# Altium PCB PCB1.PcbDoc (part 1 of 2)
Units mil, origin at the board's own origin, x right, y up, seen from the top; angles counter-clockwise.
Board outline 6000 x 4000 mil, 2 copper layers (Top Layer, Bottom Layer); 90 components, 145 nets, 578 pads, 84 vias.
Unrouted connection lines stored in the file: 9.
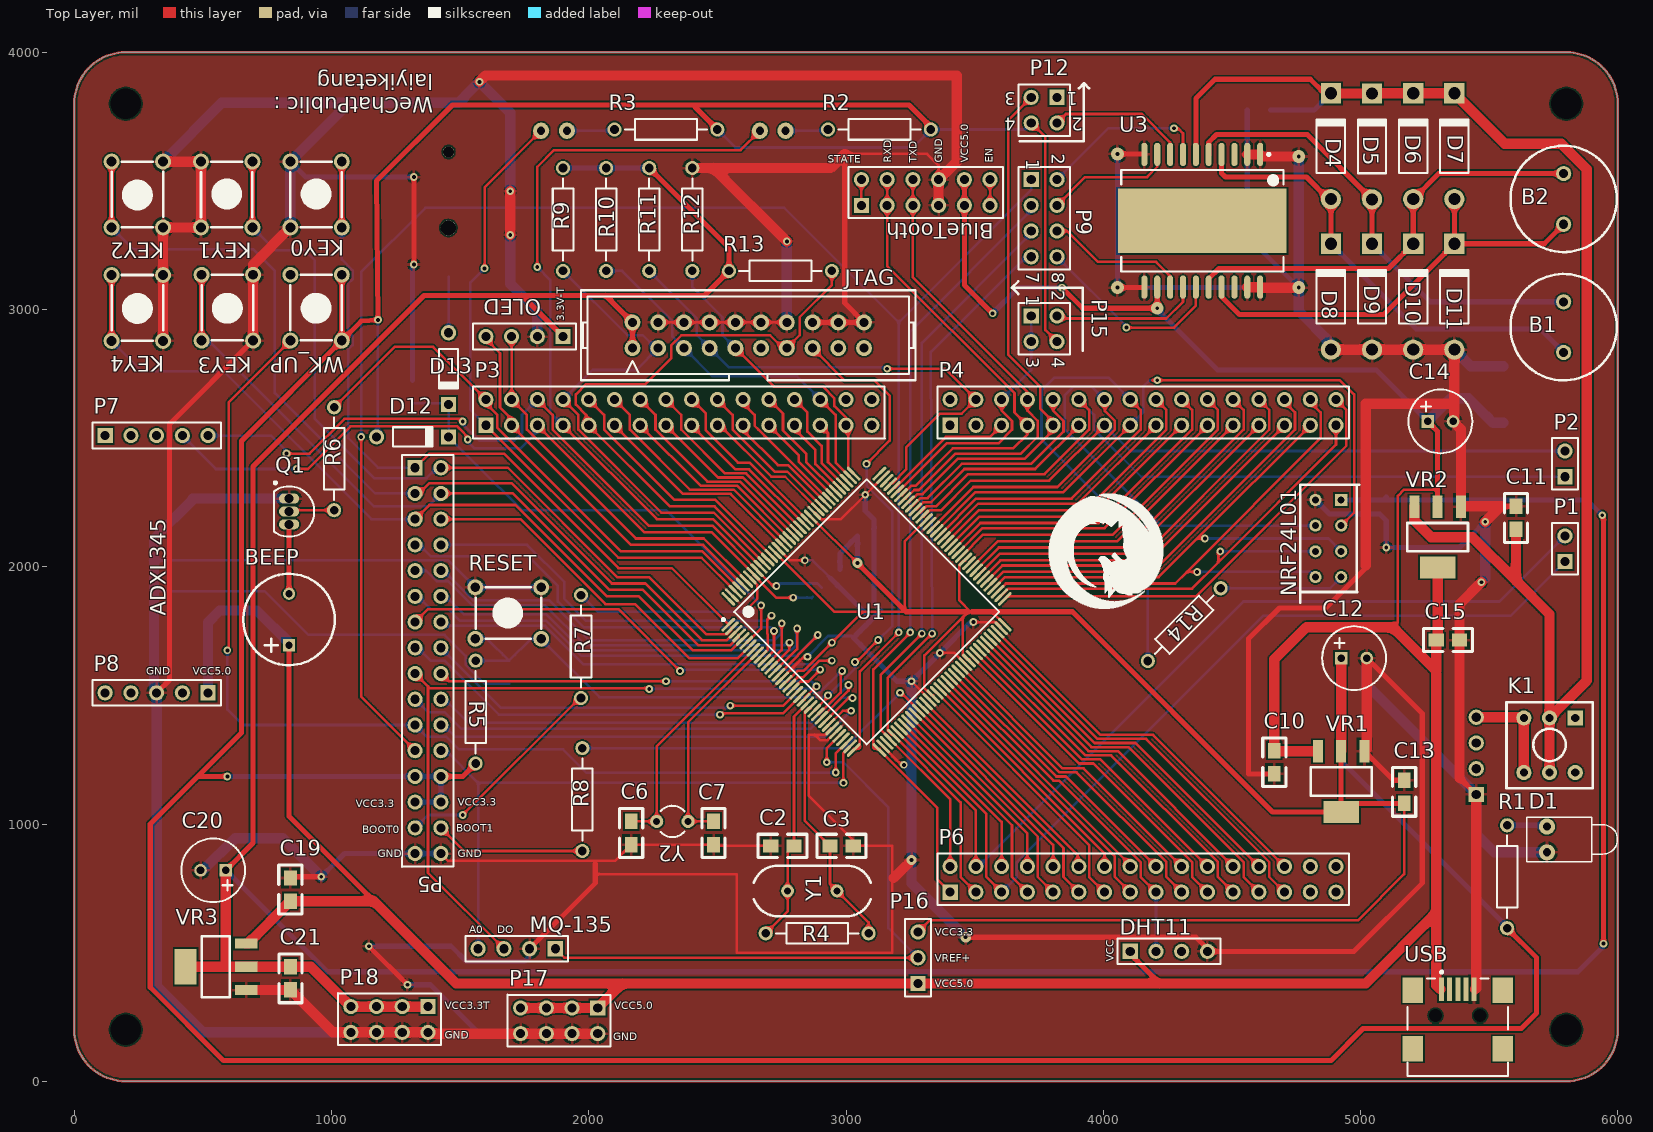
[diagram p0: Top Layer view]
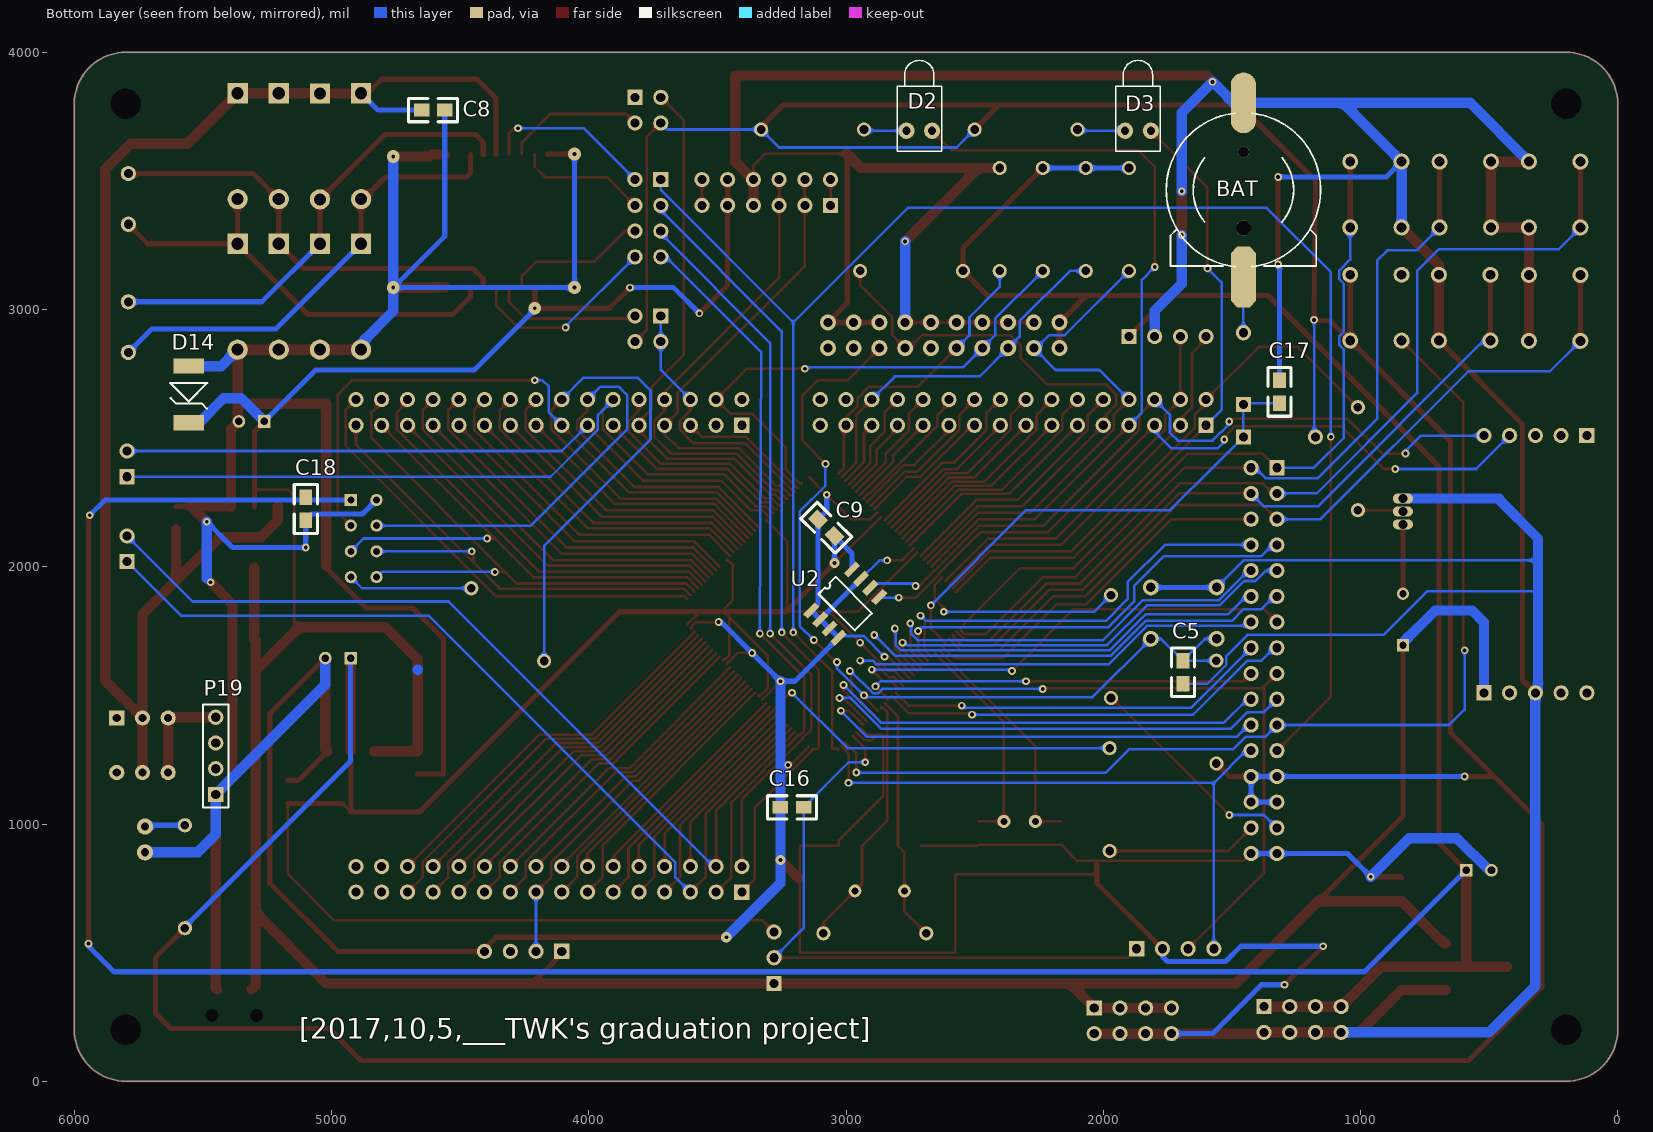
[diagram p1: Bottom Layer view, seen from below]

## Layer stack, top to bottom
Top Solder: solder mask 0.4, Solder Resist, Dk 3.5
Top Layer: signal copper 1.4
Dielectric 1: dielectric 12.6, FR-4, Dk 4.8
Bottom Layer: signal copper 1.4
Bottom Solder: solder mask 0.4, Solder Resist, Dk 3.5

## Board outline
200,0 5800,0 ccw(c5800,200) 6000,200 6000,3800 ccw(c5800,3800) 5800,4000 200,4000 ccw(c200,3800) 0,3800 0,200 ccw(c200,200)

## Design rules (kind name [scope] priority, off if disabled: settings)
Clearance [All] p1: gap=5.91 ignorepadtopadclearanceinfootprint=FALSE
DiffPairsRouting [All] p1: maxlimit=10 minlimit=10 mostfreqgap=10 toplayer_minwidth=7 toplayer_maxwidth=15 toplayer_prefwidth=10 bottomlayer_minwidth=7 bottomlayer_maxwidth=15 bottomlayer_prefwidth=10 maxuncoupledlength=500
PolygonConnect [All] p1: connectstyle=Relief reliefconductorwidth=10 reliefentries=4 polygonreliefangle="90 Angle" airgapwidth=10
RoutingVias [All] p1: holewidth=15 width=30 viastyle="Through Hole" minholewidth=10 minwidth=25 maxholewidth=40 maxwidth=50
SolderMaskExpansion [All] p1: expansion=4
UnRoutedNet [All] p1: checkbadconnections=TRUE
Width [All] p1: maxlimit=40 minlimit=7 preferedwidth=10
28 further rules are at their usual default settings.

## Components (designator, comment, footprint, x,y, rotation, side; value= is the part's Value field where it differs from the comment)
B1 "Motor" RB5-10.5 5790,2931.57 r90 top
B2 "Motor" RB5-10.5 5790,3430 r270 top
BAT "BATT" BATM 1455,3465 r180 bottom (schematic designator BAT1)
BEEP "BEEP" BELL-5 835,1695 r90 top (schematic designator BEEP1)
BlueTooth "Bluetooth" Header2X6-2.54MM 3060,3405 r0 top (schematic designator P10)
C2 "22pf" 0805 2797.87,914.94 r180 top
C3 "22pf" 0805 2937.87,915.06 r0 top
C5 "104" 0805 1689.94,1635 r270 bottom
C6 "10pf" 0805 2164.94,920 r90 top
C7 "10pf" 0805 2485,920 r90 top
C8 "104" 0805 4650,3775.06 r180 bottom
C9 "104" 0805 3045,2120 r45 bottom
C10 "104" 0805 4665,1195 r90 top
C11 "104" 0805 5605.06,2235 r270 top
C12 "220uf" C-DIP-6.3*15 4975,1645 r0 top
C13 "104" 0805 5170.06,1170 r270 top
C14 "220uf" C-DIP-6.3*15 5310.79,2565 r0 top
C15 "104" 0805 5385,1714.94 r180 top
C16 "104" 0805 3255,1065 r180 bottom
C17 "104" 0805 1314.94,2725 r270 bottom
C18 "104" 0805 5100.06,2180 r90 bottom
C19 "104" 0805 840,790 r270 top
C20 "220uf" C-DIP-6.3*15 540,820 r180 top
C21 "104" 0805 839.94,355 r90 top
D1 "PWR" LED-1 5725,940 r0 top
D2 "LED1" LED-1 2715,3695 r90 bottom
D3 "LED1" LED-1 1865,3695 r90 bottom
D4 "1N4007" DO-41 4885,3635 r90 top
D5 "1N4007" DO-41 5045,3634.09 r90 top
D6 "1N4007" DO-41 5205,3635 r90 top
D7 "1N4007" DO-41 5365,3635 r90 top
D8 "1N4007" DO-41 4885,3050 r90 top
D9 "1N4007" DO-41 5045,3050 r90 top
D10 "1N4007" DO-41 5205,3050 r90 top
D11 "1N4007" DO-41 5365,3050 r90 top
D12 "1N4148" DO-35 1315,2505 r0 top
D13 "1N4148" DO-35 1455,2770 r270 top
D14 "SMBJ5.0A" SMBJ 5555,2675 r270 bottom
DHT11 "DHT11" Header1X4-2.54MM 4105,505 r0 top (schematic designator P14)
JTAG "JTAG" JTAG_20 2620,2900 r0 top
K1 "BUTTON" BTN8.5*8.5 5835,1412.6 r270 top
KEY0 "KEY0" KEY_M 840,3319.09 r90 top
KEY1 "KEY1" KEY_M 492.5,3319.09 r90 top
KEY2 "KEY2" KEY_M 345,3575 r270 top
KEY3 "KEY2" KEY_M 695,3135 r270 top
KEY4 "KEY2" KEY_M 345,3134.09 r270 top
MQ-135 "MQ-135" Header1X4-2.54MM 1870,515 r180 top (schematic designator P13)
NRF24L01 "WIRELESS" NRF24L01 4825,2260 r180 top (schematic designator U4)
OLED "OLED_IIC" Header1X4-2.54MM 1900,2895 r180 top (schematic designator P11)
P1 "Header 2" HDR1X2 5795,2020 r90 top
P2 "Header 2" HDR1X2 5795,2350 r90 top
P3 "HDR2X16-2.54MM" HDR2X16-2.54MM 1600,2550 r0 top
P4 "HDR2X16-2.54MM" HDR2X16-2.54MM 3405,2550 r0 top
P5 "HDR2X16-2.54MM" HDR2X16-2.54MM 1325,2385 r270 top
P6 "HDR2X16-2.54MM" HDR2X16-2.54MM 3405,735 r0 top
P7 "Header 5" HDR1X5 120,2510 r0 top
P8 "Header 5" HDR1X5 520,1510 r180 top
P9 "Header 4X2" HDR2X4 3720,3505 r270 top
P12 "Header 2X2" HDR2X2 3820,3825 r180 top
P15 "Header 2X2" HDR2X2 3720,2975 r270 top
P16 "Header 3" HDR1X3 3280,380 r90 top
P17 "HDR2X4-2.54MM" HDR2X4-2.54MM 1935,235 r180 top
P18 "HDR2X4-2.54MM" HDR2X4-2.54MM 1275,240 r180 top
P19 "Header1X4-2.54MM" Header1X4-2.54MM 5450,1115 r90 bottom
Q1 "2N3904" TO-92A 835,2215 r180 top
R1 "Res2" AXIAL-0.4 5570,795 r270 top value=510
R2 "Res2" AXIAL-0.4 3130,3700 r0 top value=510
R3 "Res2" AXIAL-0.4 2300,3700 r0 top value=510
R4 "Res2" AXIAL-0.4 2887.87,575 r180 top value=1M
R5 "Res2" AXIAL-0.4 1560,1435 r270 top value=10K
R6 "Res2" AXIAL-0.4 1010,2420 r90 top value=4.7K
R7 "Res2" AXIAL-0.4 1970,1690 r90 top value=10K
R8 "Res2" AXIAL-0.4 1975,1095 r270 top value=10K
R9 "Res2" AXIAL-0.4 1900,3350 r90 top value=10K
R10 "Res2" AXIAL-0.4 2067.5,3350 r90 top value=10K
R11 "Res2" AXIAL-0.4 2235,3350 r90 top value=10K
R12 "Res2" AXIAL-0.4 2402.5,3350 r270 top value=10K
R13 "Res2" AXIAL-0.4 2745,3150 r180 top value=10K
R14 "Res2" AXIAL-0.4 4315,1775 r45 top value=1K
RESET "RESET" KEY_M 1815,1720 r180 top
U1 "STM32F103ZET6" STM-LQFP144_N 3080,1825 r45 top
U2 "24C02" SOP-8 3135.36,1830.36 r135 bottom
U3 "L298P" PowerSO20_N 4385,3345 r270 top
USB "USB" USB/SM0.8-6H5 5378.39,48.31 r270 top
VR1 "AMS1117-3.3" SOT-223 4925,1165 r90 top
VR2 "AMS1117-5.0" SOT-223 5300,2115 r90 top
VR3 "AMS1117-3.3" SOT-223 550,445 r0 top
WK_UP "WK_UP" KEY_M 1040,3135 r270 top (schematic designator WK_UP1)
Y1 "8MHz" XTAL_US 2772.87,740 r0 top
Y2 "32.768K" R38 2325,1010 r90 top

## Footprints (in the part's own frame and the unit in brackets; to place one, negate y for a bottom-side part, rotate by r counter-clockwise, add the part's x,y. Pads: shape width x height; smd on the part's side, far side on the other; paste and mask are expansions set on the pad)
0805 [mil]
  rect 60x50 smd: 1(0,-0.06) 2(90,-0.06)
  silkscreen extent -50,-45 140,45
AXIAL-0.4 [mm] "Axial Device, Thru-Hole; 2 Leads; 0.4 in Pin Spacing"
  round 1.4 hole 0.85: 1(-5.08,0) 2(5.08,0)
  silkscreen extent -4.06,-1.02 4.06,1.02
BATM [mm]
  round 1.1 hole 1.1 unplated: 0(0,3.748)
  round 1.5 hole 1.5 unplated: 0(0.025,-3.752)
  oct 2.5x6 smd: 1(0,-8.602)
  oval 2.5x6 smd: 2(0,8.598)
  silkscreen extent -7.62,-7.58 7.62,7.57
BELL-5 [mm]
  rect 1.2x1.2 hole 0.7: 1(0,0)
  round 1.2 hole 0.7: 2(5.08,0)
  silkscreen extent -1.97,-4.51 7.05,4.51
BTN8.5*8.5 [mm]
  rect 1.5x1.5 hole 0.8: 1(0,0)
  round 1.5 hole 0.8: 2(0,-2.54) 3(0,-5.08) 4(5.4,-5.08) 5(5.4,-2.54) 6(5.4,0)
  silkscreen extent -1.55,-6.79 6.95,1.71
C-DIP-6.3*15 [mm]
  rect 1.25x1.25 hole 0.75: 1(-1.25,0)
  round 1.25 hole 0.75: 2(1.25,0)
  silkscreen extent -3.15,-3.15 3.15,3.15, body extent -3.4,-3.39 3.37,3.39, height 16.5
DO-35 [mm] "Diode, Axial; Body 3.8 x 1.9 mm (LxDia. max), Lead Dia. 0.53 mm (max)"
  round 1.5 hole 0.9: 1(-3.55,0)
  rect 1.5x1.5 hole 0.9: 2(3.55,0)
  silkscreen extent -1.95,-0.95 2.05,0.95
DO-41 [mm] "Diode, Axial; Body 5.2 x 2.7 mm (LxDia. max), Lead Dia. 0.86 mm (max)"
  round 2 hole 1.2: 1(-5.23,0)
  rect 2x2 hole 1.2: 2(5.23,0)
  silkscreen extent -2.65,-1.4 2.75,1.4
HDR1X2 [mm] "Connector; Header; 2 Position"
  rect 1.5x1.5 hole 0.9: 1(0,0)
  round 1.5 hole 0.9: 2(2.54,0)
  silkscreen extent -1.27,-1.27 3.81,1.27
HDR1X3 [mm] "Connector; Header; 3 Position"
  rect 1.5x1.5 hole 0.9: 1(0,0)
  round 1.5 hole 0.9: 2(2.54,0) 3(5.08,0)
  silkscreen extent -1.27,-1.27 6.35,1.27
HDR1X5 [mm] "Connector; Header; 5 Position"
  rect 1.5x1.5 hole 0.9: 1(0,0)
  round 1.5 hole 0.9: 2(2.54,0) 3(5.08,0) 4(7.62,0) 5(10.16,0)
  silkscreen extent -1.27,-1.27 11.43,1.27
HDR2X2 [mm] "Connector; Header; 2x2 Position"
  rect 1.5x1.5 hole 0.9: 1(0,0)
  round 1.5 hole 0.9: 2(0,2.54) 3(2.54,0) 4(2.54,2.54)
  silkscreen extent -1.27,-1.27 3.81,3.81
HDR2X4 [mm] "Connector; Header; 4x2 Position"
  rect 1.5x1.5 hole 0.9: 1(0,0)
  round 1.5 hole 0.9: 2(0,2.54) 3(2.54,0) 4(2.54,2.54) 5(5.08,0) 6(5.08,2.54) 7(7.62,0) 8(7.62,2.54)
  silkscreen extent -1.27,-1.27 8.89,3.81
HDR2X4-2.54MM [mm] "Connector; Header; 3x2 Position"
  rect 1.5x1.5 hole 0.9: 1(-2.54,-1.27)
  round 1.5 hole 0.9: 2(-2.54,1.27) 3(0,-1.27) 4(0,1.27) 5(2.54,-1.27) 6(2.54,1.27) 7(5.08,-1.27) 8(5.08,1.27)
  silkscreen extent -3.81,-2.6 6.35,2.54, body extent -3.81,-2.57 6.35,2.51, height 6.54
HDR2X16-2.54MM [mm] "Connector; Header; 3x2 Position"
  rect 1.5x1.5 hole 0.9: 1(0,0)
  round 1.5 hole 0.9: 2(0,2.54) 3(2.54,0) 4(2.54,2.54) 5(5.08,0) 6(5.08,2.54) 7(7.62,0) 8(7.62,2.54) 9(10.16,0) 10(10.16,2.54) 11(12.7,0) 12(12.7,2.54) 13(15.24,0) 14(15.24,2.54) 15(17.78,0) 16(17.78,2.54) 17(20.32,0) 18(20.32,2.54) 19(22.86,0) 20(22.86,2.54) 21(25.4,0) 22(25.4,2.54) 23(27.94,0) 24(27.94,2.54) 25(30.48,0) 26(30.48,2.54) 27(33.02,0) 28(33.02,2.54) 29(35.56,0) 30(35.56,2.54) 31(38.1,0) 32(38.1,2.54)
  silkscreen extent -1.27,-1.29 39.4,3.81, body extent -1.27,-1.3 39.37,3.78, height 6.54
Header1X4-2.54MM [mm] "Connector; Header; 4 Position"
  rect 1.5x1.5 hole 0.9: 1(0,0)
  round 1.5 hole 0.9: 2(2.54,0) 3(5.08,0) 4(7.62,0)
  silkscreen extent -1.27,-1.27 8.89,1.27, body extent -1.23,-1.42 8.85,1.42, height 8.5
Header2X6-2.54MM [mm] "Connector; Header; 2x2 Position"
  rect 1.5x1.5 hole 0.9: 1(0,0)
  round 1.5 hole 0.9: 2(0,2.54) 3(2.54,0) 4(2.54,2.54) 5(5.08,0) 6(5.08,2.54) 7(7.62,0) 8(7.62,2.54) 9(10.16,0) 10(10.16,2.54) 11(12.7,0) 12(12.7,2.54)
  silkscreen extent -1.27,-1.27 13.97,3.81, body extent -1.42,-1.23 14.12,3.77, height 8.5
JTAG_20 [mil]
  round 62 hole 35: 1(-450,-50) 2(-450,50) 3(-350,-50) 4(-350,50) 5(-250,-50) 6(-250,50) 7(-150,-50) 8(-150,50) 9(-50,-50) 10(-50,50) 11(50,-50) 12(50,50) 13(150,-50) 14(150,50) 15(250,-50) 16(250,50) 17(350,-50) 18(350,50) 19(450,-50) 20(450,50)
  silkscreen extent -650,-175 650,175
KEY_M [mil]
  round 62 hole 38: 1(0,0) 1(255.91,0) 2(0,-200) 2(255.91,-200)
  silkscreen extent 0,-200 255,0
LED-1 [mm] "LED; 2 Leads"
  round 1.6 hole 0.8: 1(0,1.27) 2(0,-1.27)
  silkscreen extent -2,-2.2 6.95,2.2
NRF24L01 [mm]
  round 1.2 hole 0.7: 1(0,0) 3(0,2.54) 4(-2.54,2.54) 5(0,5.08) 6(-2.54,5.08) 7(0,7.62) 8(-2.54,7.62)
  rect 1.2x1.2 hole 0.7: 2(-2.54,0)
  silkscreen extent -4.32,-1.5 1.5,10.16
PowerSO20_N [mm] "SOP, 20-Leads, Body 15.9x11mm, Pitch 1.27mm, IPC Medium Density"
  oval 2.3x0.6 smd: 1(-6.55,5.715) 2(-6.55,4.445) 3(-6.55,3.175) 4(-6.55,1.905) 5(-6.55,0.635) 6(-6.55,-0.635) 7(-6.55,-1.905) 8(-6.55,-3.175) 9(-6.55,-4.445) 10(-6.55,-5.715) 11(6.55,-5.715) 12(6.55,-4.445) 13(6.55,-3.175) 14(6.55,-1.905) 15(6.55,-0.635) 16(6.55,0.635) 17(6.55,1.905) 18(6.55,3.175) 19(6.55,4.445) 20(6.55,5.715)
  rect 6.35x16.65 smd: 21(0,0)
  silkscreen extent -6.67,-8 5,8, body extent -5.55,-8 5.55,8, height 3.6
R38 [mm] "Crystal, Thru-Hole; 2 Leads; Body 3.1 x 8.2 mm (Dia.xH)"
  round 1.3 hole 0.7: 1(0,1.55) 2(0,-1.55)
  silkscreen extent -1.55,-1.19 1.55,1.17
RB5-10.5 [mm] "Capacitor (Radial); 2 Leads"
  round 1.5 hole 0.9: 1(-2.5,0) 2(2.5,0)
  silkscreen extent -5.25,-5.25 5.25,5.25
SMBJ [mm]
  rect 1.5x3 smd: 1(-2.667,0) 2(2.921,0)
  silkscreen extent -1.02,-1.85 1.52,1.83
SOP-8 [mil]
  rect 65x25 smd: 1(0,0) 2(0,-50) 3(0,-100) 4(0,-150) 5(224.41,-150) 6(224.41,-100) 7(224.41,-50) 8(224.41,0)
  silkscreen extent 65,-175 159,25
SOT-223 [mm]
  rect 2.2x1 smd: 1(3,-2.3) 2(3,0) 3(3,2.3)
  rect 2.2x3.5 smd: 2(-3,0)
  silkscreen extent -1.4,-3 1.4,3, body extent -3.49,-3.24 3.49,3.24, height 1.64
STM-LQFP144_N [mm] "Thin QFP, 144-Leads, Body 20x20mm, Pitch 0.5mm, IPC Medium Density"
  oval 1.8x0.3 smd: 1(-10.55,8.75) 2(-10.55,8.25) 3(-10.55,7.75) 4(-10.55,7.25) 5(-10.55,6.75) 6(-10.55,6.25) 7(-10.55,5.75) 8(-10.55,5.25) 9(-10.55,4.75) 10(-10.55,4.25) 11(-10.55,3.75) 12(-10.55,3.25) 13(-10.55,2.75) 14(-10.55,2.25) 15(-10.55,1.75) 16(-10.55,1.25) 17(-10.55,0.75) 18(-10.55,0.25) 19(-10.55,-0.25) 20(-10.55,-0.75) 21(-10.55,-1.25) 22(-10.55,-1.75) 23(-10.55,-2.25) 24(-10.55,-2.75) 25(-10.55,-3.25) 26(-10.55,-3.75) 27(-10.55,-4.25) 28(-10.55,-4.75) 29(-10.55,-5.25) 30(-10.55,-5.75) 31(-10.55,-6.25) 32(-10.55,-6.75) 33(-10.55,-7.25) 34(-10.55,-7.75) 35(-10.55,-8.25) 36(-10.55,-8.75) 73(10.55,-8.75) 74(10.55,-8.25) 75(10.55,-7.75) 76(10.55,-7.25) 77(10.55,-6.75) 78(10.55,-6.25) 79(10.55,-5.75) 80(10.55,-5.25) 81(10.55,-4.75) 82(10.55,-4.25) 83(10.55,-3.75) 84(10.55,-3.25) 85(10.55,-2.75) 86(10.55,-2.25) 87(10.55,-1.75) 88(10.55,-1.25) 89(10.55,-0.75) 90(10.55,-0.25) 91(10.55,0.25) 92(10.55,0.75) 93(10.55,1.25) 94(10.55,1.75) 95(10.55,2.25) 96(10.55,2.75) 97(10.55,3.25) 98(10.55,3.75) 99(10.55,4.25) 100(10.55,4.75) 101(10.55,5.25) 102(10.55,5.75) 103(10.55,6.25) 104(10.55,6.75) 105(10.55,7.25) 106(10.55,7.75) 107(10.55,8.25) 108(10.55,8.75)
  oval 0.3x1.8 smd: 37(-8.75,-10.55) 38(-8.25,-10.55) 39(-7.75,-10.55) 40(-7.25,-10.55) 41(-6.75,-10.55) 42(-6.25,-10.55) 43(-5.75,-10.55) 44(-5.25,-10.55) 45(-4.75,-10.55) 46(-4.25,-10.55) 47(-3.75,-10.55) 48(-3.25,-10.55) 49(-2.75,-10.55) 50(-2.25,-10.55) 51(-1.75,-10.55) 52(-1.25,-10.55) 53(-0.75,-10.55) 54(-0.25,-10.55) 55(0.25,-10.55) 56(0.75,-10.55) 57(1.25,-10.55) 58(1.75,-10.55) 59(2.25,-10.55) 60(2.75,-10.55) 61(3.25,-10.55) 62(3.75,-10.55) 63(4.25,-10.55) 64(4.75,-10.55) 65(5.25,-10.55) 66(5.75,-10.55) 67(6.25,-10.55) 68(6.75,-10.55) 69(7.25,-10.55) 70(7.75,-10.55) 71(8.25,-10.55) 72(8.75,-10.55) 109(8.75,10.55) 110(8.25,10.55) 111(7.75,10.55) 112(7.25,10.55) 113(6.75,10.55) 114(6.25,10.55) 115(5.75,10.55) 116(5.25,10.55) 117(4.75,10.55) 118(4.25,10.55) 119(3.75,10.55) 120(3.25,10.55) 121(2.75,10.55) 122(2.25,10.55) 123(1.75,10.55) 124(1.25,10.55) 125(0.75,10.55) 126(0.25,10.55) 127(-0.25,10.55) 128(-0.75,10.55) 129(-1.25,10.55) 130(-1.75,10.55) 131(-2.25,10.55) 132(-2.75,10.55) 133(-3.25,10.55) 134(-3.75,10.55) 135(-4.25,10.55) 136(-4.75,10.55) 137(-5.25,10.55) 138(-5.75,10.55) 139(-6.25,10.55) 140(-6.75,10.55) 141(-7.25,10.55) 142(-7.75,10.55) 143(-8.25,10.55) 144(-8.75,10.55)
  silkscreen extent -10.67,-9.25 9.25,9.57, body extent -10,-10 10,10, height 1.6
TO-92A [mm] "TO, Flat Index; 3 In-Line, Axial Leads; Body Dia. 4.5mm; Leads 0.51 x 0.48 mm (max)"
  oval 2x1 hole 0.9: 1(0,-1.27) 2(0,0) 3(0,1.27)
  silkscreen extent -2.48,-2.95 1.5,2.48, body extent -2.48,-2.5 1.5,2.5, height 6.86
USB/SM0.8-6H5 [mm]
  rect 2.3x0.5 smd: 1(-7.85,-1.6) 2(-7.85,-0.8) 3(-7.85,0) 4(-7.85,0.8) 5(-7.85,1.6)
  rect 2.5x2 smd: 6(-7.75,4.45) 7(-1.996,4.45) 8(-7.75,-4.45) 9(-1.996,-4.45)
  round 0.6 hole 1.27 unplated: MH1(-5.25,2.2) MH2(-5.25,-2.2)
  silkscreen extent -9.67,-4.95 0.7,4.95
XTAL_US [mil]
  round 50 hole 28: 1(0,0) 2(192.13,0)
  silkscreen extent -131,-98 323,98

## Part data
B1 B2: "Motor, General Kind", LatestRevisionDate=17-Jul-2002, LatestRevisionNote="Re-released for DXP Platform.", PackageDescription="Capacitor (Radial); 2 Leads", PackageReference=RB5-10.5, Published=24-Mar-1999, Publisher="Altium Limited"
BAT: library part BAT
BlueTooth: library part Header2X6-2.54MM, Designer=www.dratk.com
C2 C3 C5 C6 C7 C9 C13 C15 C17 C18 C19 C21: library part C
C8 C10 C11 C16: library part C, "10uf"
C12 C14 C20: library part C-DIP-6.3*15, "*C-DIP-6.3*15"
D1: library part LED1, "Typical RED GaAs LED", LatestRevisionDate=08-Jul-2005, LatestRevisionNote="Mech Layer 1 removed.", PackageDescription="LED; 2 Leads", PackageReference=LED-1, Published=8-Jun-2000, Publisher="Altium Limited"
D2 D3: "Typical RED GaAs LED", LatestRevisionDate=08-Jul-2005, LatestRevisionNote="Mech Layer 1 removed.", PackageDescription="LED; 2 Leads", PackageReference=LED-1, Published=8-Jun-2000, Publisher="Altium Limited"
D4 D5 D6 D7 D8 D9 D10 D11: library part "Diode 1N4007", "1 Amp General Purpose Rectifier", Code_JEDEC=DO-204-AL, ComponentLink1Description="Manufacturer Link", ComponentLink1URL=http://www.fairchildsemi.com/, ComponentLink2Description=Datasheet, ComponentLink2URL=http://www.fairchildsemi.com/ds/1N%2F1N4001.pdf, DatasheetVersion=1998, LatestRevisionDate=17-Jul-2002, LatestRevisionNote="Re-released for DXP Platform.", PackageDescription="Diode, Axial; Body 5.2 x 2.7 mm (LxDia. max), Lead Dia. 0.86 mm (max)", PackageReference=DO-41, PackageVersion=Aug-1999, Published=8-Jun-2000, Publisher="Altium Limited"
D12 D13: library part "Diode 1N4148", "High Conductance Fast Diode", Code_JEDEC=DO-204-AH, ComponentLink1Description="Manufacturer Link", ComponentLink1URL=http://www.fairchildsemi.com/, ComponentLink2Description=Datasheet, ComponentLink2URL=http://www.fairchildsemi.com/ds/1N%2F1N4148.pdf, DatasheetVersion=1997, LatestRevisionDate=17-Jul-2002, LatestRevisionNote="Re-released for DXP Platform.", PackageDescription="Diode, Axial; Body 3.8 x 1.9 mm (LxDia. max), Lead Dia. 0.53 mm (max)", PackageReference=DO-35, Published=8-Jun-2000, Publisher="Altium Limited"
D14: library part SMBJ, "TVS"
DHT11 MQ-135 OLED: library part Header1X4-2.54MM, Designer=www.dratk.com
KEY0 KEY1 KEY2 KEY3 KEY4 RESET WK_UP: library part KEY_M
NRF24L01: library part NRF24L01
P1 P2: "Header, 2-Pin", LatestRevisionDate=17-Jul-2002, LatestRevisionNote="Re-released for DXP Platform.", Publisher="Altium Limited"
P7 P8: "Header, 5-Pin", LatestRevisionDate=17-Jul-2002, LatestRevisionNote="Re-released for DXP Platform.", Publisher="Altium Limited"
P9: "Header, 4-Pin, Dual row", LatestRevisionDate=17-Jul-2002, LatestRevisionNote="Re-released for DXP Platform.", Publisher="Altium Limited"
P12 P15: "Header, 2-Pin, Dual row", LatestRevisionDate=17-Jul-2002, LatestRevisionNote="Re-released for DXP Platform.", Publisher="Altium Limited"
P16: "Header, 3-Pin", LatestRevisionDate=17-Jul-2002, LatestRevisionNote="Re-released for DXP Platform.", Publisher="Altium Limited"
Q1: "NPN General Purpose Amplifier", ComponentLink1Description="Manufacturer Link", ComponentLink1URL=http://www.fairchildsemi.com/, ComponentLink2Description=Datasheet, ComponentLink2URL=http://www.fairchildsemi.com/ds/2N%2F2N3904.pdf, DatasheetVersion=1997, LatestRevisionDate=15-Jan-2003, LatestRevisionNote="PCB Footprint 'BCY-W3/D4.7' replaced", PackageDescription="TO, Flat Index; 3 In-Line, Axial Leads; Body Dia. 4.5mm; Leads 0.51 x 0.48 mm (max)", PackageReference=TO-92A, PackageVersion=Sep-1998, Published=8-Jun-2000, Publisher="Altium Limited"
R1 R2 R3 R4 R5 R6 R7 R8 R9 R10 R11 R12 R13 R14: "Resistor", LatestRevisionDate=17-Jul-2002, LatestRevisionNote="Re-released for DXP Platform.", PackageDescription="Axial Device, Thru-Hole; 2 Leads; 0.4 in Pin Spacing", PackageReference=AXIAL-0.4, Published=8-Jun-2000, Publisher="Altium Limited"
U1: "ARM Cortex-M3 32-bit MCU, 512 KB Flash, 64 KB Internal RAM, 112 I/Os, 144-pin LQFP, -40 to 85 degC, Tray", I/Os (High Current)=112, Operating Frequency(F) (Processor speed) (MHz)=72, Supplier Part Number 1=497-6442-ND, Supply Voltage(Vcc) min (V)=2, A/D Converter="3x12-bit (21 Channel)", ComponentLink1Description="Manufacturer URL", ComponentLink1URL=http://www.st.com/web/en/home.html, ComponentLink2Description=Datasheet, ComponentLink2URL=http://www.st.com/st-web-ui/static/active/en/resource/technical/document/datasheet/CD00191185.pdf, ComponentLink3Description="Package Specification", ComponentLink3URL=http://www.st.com/st-web-ui/static/active/en/resource/technical/document/datasheet/DM00037051.pdf, Core="ARM Cortex-M3", D/A Converter="2x12-bit (2 Channel)", DatasheetVersion="Rev. 8", FLASH Size (Prog) (kB)=512, Internal RAM Size (kB)=64, Mounting Technology="Surface Mount", PackageDescription="144-Pin Low Profile Quad Flat Package, 20 x 20 mm Body, 0.5 mm Pitch", PackageReference=LQFP144, PackageVersion="Rev. 4, 06/2013", Packing=Tray, PartNumber=STM32F103ZET6, Supplier 1=Digi-Key, Supplier 2=Farnell, Supplier 3=Newark, Supplier 4=Mouser, Supplier Part Number 2=1624145, Supplier Part Number 3=57P1270, Supplier Part Number 4=511-STM32F103ZET6
U2: library part 24C256
U3: "Dual Full Bridge Driver", Code_JEDEC=MO-166, ComponentLink1Description="Manufacturer Link", ComponentLink1URL=http://www.st.com/, ComponentLink2Description=Datasheet, ComponentLink2URL=http://www.st.com/stonline/products/literature/ds/1773/l298.pdf, DatasheetVersion=Jul-1999, LatestRevisionDate=13-Apr-2006, LatestRevisionNote="IPC-7351 Footprint Added.", PackageDescription="20-Pin Small Outline Package 1.27 mm Pitch", PackageReference=POWERSO20, PackageVersion=May-1998, Published=8-Jun-2000, Publisher="Altium Limited"
USB: library part USB5
VR1 VR3: library part "SOT-223 AMS1117-3.3", "低压差线性稳压(LDO)", Package=SOT-223, SuppliersPartNumber=C6186, ComponentLink1Description=供应商链接, ComponentLink1URL=http://www.szlcsc.com/product/details_6652.html, Supplier=LC
VR2: library part "SOT-223 AMS1117-5.0", "低压差线性稳压(LDO)", Package=SOT-223, SuppliersPartNumber=C6187, ComponentLink1Description=供应商链接, ComponentLink1URL=http://www.szlcsc.com/product/details_6653.html, Supplier=LC
Y1 Y2: library part XTAL, "Crystal Oscillator", LatestRevisionDate=17-Jul-2002, LatestRevisionNote="Re-released for DXP Platform.", Published=8-Jun-2000, Publisher="Altium Limited"
  Y2: PackageDescription="Crystal, Thru-Hole; 2 Leads; Body 3.1 x 8.2 mm (Dia.xH)", PackageReference=R38
P3 P4 P5 P6 P17 P18 P19: Designer=www.dratk.com

## Free pads (board coordinates)
  round 60 hole 118.11: 2(200,200) 3(200,3800) 4(5800,3800) 5(5800,200)

## Via types
v1: diameter 30, hole 15, Top Layer to Bottom Layer, 76 vias
v2: diameter 50, hole 15, Top Layer to Bottom Layer, 5 vias
v3: diameter 40, hole 15, Top Layer to Bottom Layer, 3 vias

## Nets (pads, with @x,y where several pads share a name; then routed paths per layer and width w, separated by ;. In a path a pad name is that pad's centre, name@x,y a point inside that pad or via, vN(x,y) a via of type N, cw(c..) or ccw(c..) an arc to the next point about the centre after c; other vN are vias at no path point)
A0_MQ-135: MQ-135.4 P5.24 U1.35 | length 2414.2
  Top Layer w10: v1(2990,1160) 2990,1275.66 U1.35@3015.97,1301.63
  Bottom Layer w10: P5.24@1425,1285 1445,1285 1570,1160 ; MQ-135.4@1570,515 1570,1160 ; v1(2990,1160) 1570,1160
BEEP: P3.2 R6.2 U1.141 | length 2098.5
  Top Layer w10: R6.2@1010,2620 1245,2855 1395,2855 P3.2@1600,2650 1600,2635 1645,2590 1645,2540 2125,2060 2441.34,2060 U1.141@2584.47,1916.87
BOOT0: R7.2 U1.138 | length 837
  Top Layer w10: v1(2620,1825) 2620,1840 2655,1875 2655,1929.85 U1.138@2626.23,1958.63
  Bottom Layer w10: R7.2@1970,1890 2035,1825 v1(2620,1825)
BOOT1: P6.10 R8.1 U1.48 | length 2247.1
  Top Layer w10: v1(3210,1510) 3219.05,1505 U1.48@3283.22,1440.82 3805,919.05 P6.10@3805,835
  Bottom Layer w10: R8.1@1975,1295 2995,1295 v1(3210,1510)
D0_MQ-135: MQ-135.3 P5.17 U1.26 | length 3078.8
  Top Layer w10: P5.17@1325,1585 1375,1535 ; MQ-135.3@1670,515 1375,810 1375,1535 ; v1(2235,1525) 2231.54,1528.46 1381.54,1528.46 1375,1535 ; U1.26@2890.7,1426.9 2894.76,1426.9 2979.09,1511.24 2979.09,1589.09 v1(2985,1595)
  Bottom Layer w10: v1(2235,1525) 2858.36,1525 2874.27,1509.09 2895.73,1509.09 2981.64,1595 v1(2985,1595)
DATA_DHT11: DHT11.2 P6.17 U1.57 | length 1404.2
  Top Layer w10: U1.57@3408.5,1566.1 3805.76,1168.83 3828.35,1168.83 4145.43,851.75 4145.43,794.57 P6.17@4205,735
  Bottom Layer w10: DHT11.2@4205,505 P6.17@4205,735
EN: BlueTooth.11 BlueTooth.12 | length 100
  Top Layer w10: BlueTooth.11@3560,3405 BlueTooth.12@3560,3505
FSMC_A10: P6.16 U1.56 | length 1011.4
  Top Layer w10: U1.56@3394.58,1552.18 3394.58,1551.69 4105,841.27 P6.16@4105,835
FSMC_A16: P4.25 U1.80 | length 1324.3
  Top Layer w10: U1.80@3519.85,1972.55 3597.31,2050 4105,2050 P4.25@4605,2550
FSMC_A17: P4.24 U1.81 | length 1399.5
  Top Layer w10: U1.81@3505.93,1986.47 3594.47,2075 4087.18,2075 4545.43,2533.25 4545.43,2609.57 P4.24@4505,2650
FSMC_A18: P4.23 U1.82 | length 1240.6
  Top Layer w10: U1.82@3492.01,2000.38 3591.63,2100 4055,2100 P4.23@4505,2550
FSMC_D0: P4.22 U1.85 | length 1332.1
  Top Layer w10: U1.85@3450.26,2042.14 3533.11,2125 4037.18,2125 4445.43,2533.25 4445.43,2609.57 P4.22@4405,2650
FSMC_D1: P4.21 U1.86 | length 1173.3
  Top Layer w10: U1.86@3436.34,2056.06 3530.27,2150 4005,2150 P4.21@4405,2550
FSMC_D2: P3.24 U1.114 | length 465.1
  Top Layer w10: P3.24@2700,2650 2755,2595 2755,2530 2845,2440 2845,2407.99 U1.114@2960.29,2292.69
FSMC_D3: P3.23 U1.115 | length 373.3
  Top Layer w10: P3.23@2700,2550 2815.69,2434.31 2815.69,2409.46 U1.115@2946.37,2278.77
FSMC_D4: P6.18 U1.58 | length 1091.2
  Top Layer w10: U1.58@3422.42,1580.02 3817.7,1184.74 3855.26,1184.74 P6.18@4205,835
FSMC_D5: P6.19 U1.59 | length 1257.9
  Top Layer w10: U1.59@3436.34,1593.94 3829.63,1200.64 3896.54,1200.64 4245.43,851.75 4245.43,794.57 P6.19@4305,735
FSMC_D6: P6.20 U1.60 | length 1174.9
  Top Layer w10: U1.60@3450.26,1607.86 3841.56,1216.55 3923.45,1216.55 P6.20@4305,835
FSMC_D7: P6.21 U1.63 | length 1325.3
  Top Layer w10: U1.63@3492.01,1649.62 3906.34,1235.29 3961.9,1235.29 4345.43,851.75 4345.43,794.57 P6.21@4405,735
FSMC_D8: P6.22 U1.64 | length 1242.3
  Top Layer w10: U1.64@3505.93,1663.53 3918.28,1251.19 3988.81,1251.19 P6.22@4405,835
FSMC_D9: P6.23 U1.65 | length 1409
  Top Layer w10: U1.65@3519.85,1677.45 3930.21,1267.1 4030.08,1267.1 4445.43,851.75 4445.43,794.57 P6.23@4505,735
FSMC_D10: P6.24 U1.66 | length 1325.9
  Top Layer w10: U1.66@3533.77,1691.37 3942.15,1283 4057,1283 P6.24@4505,835
FSMC_D11: P6.25 U1.67 | length 1492.7
  Top Layer w10: U1.67@3547.69,1705.29 3954.08,1298.91 4098.27,1298.91 4545.43,851.75 4545.43,794.57 P6.25@4605,735
FSMC_D12: P6.26 U1.68 | length 1409.6
  Top Layer w10: U1.68@3561.61,1719.21 3966.01,1314.81 4125.19,1314.81 P6.26@4605,835
FSMC_D13: P4.28 U1.77 | length 1566.9
  Top Layer w10: U1.77@3561.61,1930.79 3610.82,1980 4192.18,1980 4745.43,2533.25 4745.43,2599.86 4705,2640.29 P4.28@4705,2650
FSMC_D14: P4.27 U1.78 | length 1408
  Top Layer w10: U1.78@3547.69,1944.71 3607.99,2005 4160,2005 P4.27@4705,2550
FSMC_D15: P4.26 U1.79 | length 1483.2
  Top Layer w10: U1.79@3533.77,1958.63 3600.15,2025 4137.18,2025 4645.43,2533.25 4645.43,2609.57 P4.26@4605,2650
FSMC_NE4: P3.13 U1.127 | length 760.9
  Top Layer w10: P3.13@2200,2550 2434.67,2315.33 2575.75,2315.33 U1.127@2779.34,2111.74
FSMC_NOE: P3.20 U1.118 | length 609.2
  Top Layer w10: P3.20@2500,2650 2559.57,2590.43 2559.57,2533.25 2722.82,2370 2771.63,2370 U1.118@2904.61,2237.02
FSMC_NWE: P3.19 U1.119 | length 526.1
  Top Layer w10: P3.19@2500,2550 2510,2550 2710,2350 2763.79,2350 U1.119@2890.7,2223.1
GND: BAT.2 BlueTooth.7 BlueTooth.8 C2.2 C3.2 C5.2 C6.1 C7.1 C8.2 C9.2 C10.1 C11.1 C12.2 C13.1 C14.2 C15.1 C16.1 C17.1 C18.1 C19.1 C20.2 C21.1 D1.2 D8.1 D9.1 D10.1 D11.1 D14.1 DHT11.4 JTAG.4 JTAG.6 JTAG.8 JTAG.10 JTAG.12 JTAG.14 JTAG.16 JTAG.18 JTAG.20 KEY0.1 KEY1.1 KEY2.1 KEY3.1 KEY4.1 MQ-135.2 NRF24L01.1 OLED.2 P5.31 P5.32 P8.3 P17.2 P17.4 P17.6 P17.8 P18.2 P18.4 P18.6 P18.8 P19.1 Q1.1 R12.1 RESET.2 U1.16 U1.30 U1.31 U1.38 U1.51 U1.61 U1.71 U1.83 U1.94 U1.107 U1.120 U1.130 U1.143 U2.1 U2.2 U2.3 U2.4 U2.7 U3.1 U3.2 U3.10 U3.11 U3.19 U3.20 USB.5 VR1.1 VR2.1 VR3.1 | length 46421.4
  Top Layer w10: P5.32@1425,885 1453.46,856.54 2025,856.54 ; 2025,805 2575,805 2575,500 3180,500 3180,790 3180,915 C3.2@3027.87,915 3027.87,937.13 2854.99,1110.01 2854.99,1347.46 2877.54,1347.46 ; 2025,845 2025,856.54 ; JTAG.4@2270,2950 JTAG.6@2370,2950 JTAG.8@2470,2950 JTAG.10@2570,2950 JTAG.12@2670,2950 JTAG.14@2770,2950 ; C2.2@2707.87,915 2490.06,915 C7.1@2485.06,920 C6.1@2165,920 2101.54,856.54 2025,856.54 ; U1.130@2737.58,2069.98 2782.56,2025 v1(2840,2025) ; U1.16@2751.5,1566.1 2835.4,1650 v1(2850,1650) ; U1.120@2876.78,2209.18 2880.84,2209.18 2904.61,2185.41 2980.41,2185.41 v1(3075,2280) 3143.37,2348.37 U1.107@3144.03,2348.37 ; U1.30@2946.37,1371.23 2942.31,1371.23 2918.54,1347.46 2877.54,1347.46 ; U1.31@2960.29,1357.31 2928.89,1325.91 2899.09,1325.91 2877.54,1347.46 ; 2995,3605 3315,3605 3360,3560 BlueTooth.8@3360,3505 ; U1.38@3144.03,1301.63 3215.66,1230 v1(3225,1230) ; v1(3255,1555) 3324.98,1485.02 U1.51@3324.98,1482.58 ; v1(3365,1665) 3420.95,1665 U1.61@3464.18,1621.78 ; v1(3495,1785) 3495.26,1784.74 3583.66,1784.74 3599.31,1769.1 3599.31,1760.97 U1.71@3603.37,1760.97 ; 4730,3080 4735,3085 v2(4760,3085)
  Top Layer w20: P8.3@320,1510 370,1560 370,2554.09 KEY3.1@695,2879.09 ; C19.1@839.94,790 844.94,795 v1(960,795) ; v1(1145,525) v1(1295,375) ; v1(1320,3175) v1(1320,3515) ; MQ-135.2@1770,515 2025,770 2025,805 2025,845 ; JTAG.16@2870,2950 JTAG.18@2970,2950 JTAG.20@3070,2950 2995,3025 2995,3605 ; 3180,790 3185,790 ; v3(3465,560) 4360,560 4405,515 DHT11.4@4405,505 4975,505 5240,770 5240,1429.21 C12.2@5024.21,1645 ; v2(4055,3085) 4157.87,3085 U3.11@4160,3087.13 ; v2(4055,3605) 4157.87,3605 U3.10@4160,3602.87 ; U3.20@4610,3087.13 U3.20@4612.13,3085 ; U3.1@4610,3602.87 U3.1@4617.87,3595 ; C10.1@4665.06,1195 4565,1195 4565,1720 4685,1840 4865,1840 5030,2005 5020,2005 ; VR1.1@5015.55,1283.11 5128.66,1170 C13.1@5170,1170 ; C14.2@5360,2565 C14.2@5365,2570 ; 5385,1180 P19.1@5450,1115 ; VR2.1@5390.55,2233.11 VR2.1@5392.44,2235 ; 5545,2235 C11.1@5605,2235
  Top Layer w40: KEY4.1@345,2878.19 KEY4.1@345,3134.09 KEY2.1@345,3319.09 KEY1.1@492.5,3319.09 KEY1.1@492.5,3575 KEY2.1@345,3575 ; VR3.1@668.11,354.45 668.66,355 C21.1@840,355 1005,190 P18.8@1075,190 P18.6@1175,190 P18.4@1275,190 P18.2@1375,190 1380,185 P17.8@1735,185 P17.6@1835,185 P17.4@1935,185 P17.2@2035,185 ; KEY3.1@695,2879.09 KEY3.1@695,3135 695,3174.09 KEY0.1@840,3319.09 ; v1(1575,3885) 1600,3910 3430,3910 3430,3575 BlueTooth.8@3360,3505 BlueTooth.7@3360,3405 ; v1(1695,3290) v1(1695,3460) ; R12.1@2402.5,3550 2485,3550 ; v1(2770,3265) 2485,3550 ; 2995,3605 2940,3550 2485,3550 ; 3185,790 v3(3255,860) ; U3.19@4560,3087.13 U3.20@4610,3087.13 ; U3.2@4560,3602.87 U3.1@4610,3602.87 ; U3.20@4612.13,3085 v2@4735,3085 ; U3.1@4617.87,3595 v2(4760,3595) ; D8.1@4885,2844.09 D9.1@5045,2844.09 D10.1@5205,2844.09 D11.1@5365,2844.09 C14.2@5365,2570 ; VR1.1@5015.55,1283.11 5024.21,1291.77 C12.2@5024.21,1645 ; 5020,2005 5020,2634.21 5360,2634.21 ; C14.2@5360,2565 5390.55,2534.45 VR2.1@5390.55,2233.11 ; 5385,1180 C15.1@5385,1715 5385,1855 v1(5470,1940) ; VR2.1@5392.44,2235 5545,2235 v1(5485,2175) ; USB.5@5445.63,357.36 5450,361.73 P19.1@5450,1115
  Bottom Layer w10: 310,1895 320,1905 740,1905 910,1735 1440,1735 1521.54,1653.46 1521.54,1619.07 1595.6,1545 C5.2@1690,1545 ; 310,2025 1307.82,2025 1308.25,2025.43 1453.66,2025.43 RESET.2@1559.09,1920 ; P17.2@2035,185 2040,190 P17.2@2045,185 ; v1(2840,2025) 2870,2025 U2.7@2941.32,1953.68 ; v1(2850,1650) 2930.91,1730.91 3022.67,1730.91 U2.4@3029.29,1724.29 ; v1@3485,1785 v1(3495,1785)
  Bottom Layer w20: KEY0.1@840,3575 900,3515 v1(1320,3515) ; v1(960,795) 1050,885 P5.31@1325,885 P5.32@1425,885 ; v1(1145,525) 1465,525 1525,465 1750,465 1770,485 MQ-135.2@1770,515 ; v1(1295,375) 1385,375 1575,185 P17.8@1735,185 ; C17.1@1315,2725 1315,3170 v1(1320,3175) ; RESET.2@1559.09,1920 RESET.2@1815,1920 ; U2.7@2941.32,1953.68 U2.2@3100,1795 ; v1(3075,2280) 3075,2217.28 C9.2@3108.59,2183.68 3108.59,1857.12 U2.1@3135.36,1830.36 U2.2@3100,1795 ; v1(3225,1230) 3255,1200 ; v1@3485,1785 v1(3365,1665) v1(3255,1555) 3198.58,1555 U2.4@3029.29,1724.29 U2.3@3064.64,1759.64 U2.2@3100,1795 ; v2(4055,3605) v2(4055,3085) v2(4760,3085) 4560,3285 C8.2@4560,3775 ; NRF24L01.1@4825,2260 4880,2205 5075,2205 C18.1@5100,2180 v1(5100,2075) 5385,2075 v1(5485,2175) ; D8.1@4885,2844.09 D8.1@4885,2869.25 ; v1(5470,1940) 5485,1955
  Bottom Layer w40: KEY2.1@345,3575 573.52,3803.52 1068.52,3803.52 ; C20.2@490.79,820 500,820 625,945 810,945 v1(960,795) ; Q1.1@835,2265 460,2265 460,2260 310,2110 310,2025 310,1895 310,1520 P8.3@320,1510 320,370 500,190 P18.8@1075,190 ; KEY0.1@840,3319.09 KEY0.1@840,3575 1068.52,3803.52 ; v1(1695,3290) 1695,3100 1800,2995 OLED.2@1800,2895 ; v1(1695,3460) 1695,3765 v1(1575,3885) 1493.52,3803.52 BAT.2@1455,3803.52 1068.52,3803.52 ; JTAG.14@2770,2950 v1(2770,3265) ; v1(3255,1555) 3255,1200 C16.1@3255,1064.94 v3(3255,860) 3255,770 v3(3465,560) ; v2(4760,3595) v2(4760,3085) 4760,2994.25 D8.1@4885,2869.25 ; C12.2@5024.21,1645 5024.21,1540.79 P19.1@5450,1115 5450,960 5520,890 D1.2@5725,890 ; D11.1@5365,2844.09 5429.09,2780 D14.1@5555,2780 ; 5485,1955 v1(5485,2175)
JTCK: JTAG.9 P3.29 R12.2 U1.109 | length 1158.9
  Top Layer w10: JTAG.9@2570,2850 2720,2700 2910,2700 2955,2655 2955,2625 3000,2580 P3.29@3000,2550 3008.66,2541.34 3008.66,2383.52 U1.109@3029.89,2362.29
  Bottom Layer w10: R12.2@2402.5,3150 2402.5,3087.5 2520,2970 2520,2900 JTAG.9@2570,2850
JTDI: JTAG.5 P3.28 R10.1 U1.110 | length 1424.8
  Top Layer w10: P3.28@2900,2650 2960,2590 2960,2567.18 2959.57,2566.75 2959.57,2404.77 U1.110@3015.97,2348.37
  Bottom Layer w10: R10.1@2067.5,3150 2130,3150 2325,2955 2325,2895 JTAG.5@2370,2850 2480,2740 2810,2740 P3.28@2900,2650
JTDO: JTAG.13 P3.9 R13.1 U1.133 | length 2390.4
  Top Layer w10: U1.133@2695.82,2028.22 2489.05,2235 2315,2235 P3.9@2000,2550 1990,2560 1990,2590 1950,2630 1950,2670 1990,2710 2220,2710 2320,2810 2320,2860 2360,2900 2705,2900 2755,2850 JTAG.13@2770,2850 2820,2900 2820,2970 2945,3095 R13.1@2945,3150
JTMS: JTAG.7 P4.4 R11.1 U1.105 | length 2037.2
  Top Layer w10: v1(3160,2770) 3385,2770 P4.4@3505,2650 3450,2595 3365,2595 3235,2465 3235,2379.6 3180,2324.6 3171.87,2324.6 U1.105@3171.87,2320.53
  Bottom Layer w10: R11.1@2235,3150 2420,2965 2420,2900 JTAG.7@2470,2850 2545,2775 3155,2775 v1(3160,2770)
JTRST: JTAG.3 P3.8 R9.1 U1.134 | length 2015.8
  Top Layer w10: P3.8@1900,2650 1959.57,2590.43 1959.57,2533.25 2282.82,2210 2486.21,2210 U1.134@2681.9,2014.3
  Bottom Layer w10: P3.8@1900,2650 2015,2765 2185,2765 JTAG.3@2270,2850 ; R9.1@1900,3150 2150,2900 2210,2900 JTAG.3@2260,2850
KEY_0: KEY0.2 P5.1 U1.1 | length 2937
  Top Layer w10: P5.1@1325,2385 1380,2440 1670,2440 2115,1995 2322.6,1995 U1.1@2542.71,1774.89
  Top Layer w20: KEY0.2@1040,3319.09 KEY0.2@1040,3575
  Bottom Layer w10: KEY0.2@1040,3319.09 1040,3194.26 1081.91,3152.36 1081.91,3117.64 1065,3100.74 1065,2913.36 1081.91,2896.45 1081.91,2861.74 1065,2844.83 1065,2500 1180,2385 P5.1@1325,2385
KEY_1: KEY1.2 P5.2 U1.2 | length 3191.5
  Top Layer w10: P5.2@1425,2385 1685,2385 2110,1960 2235,1960 2457.8,1737.2 2536.92,1737.2 2554.6,1754.87 2554.6,1763 U1.2@2556.63,1760.97
  Top Layer w20: KEY1.2@692.5,3319.09 KEY1.2@692.5,3575
  Bottom Layer w10: KEY1.2@692.5,3319.09 781.59,3230 895,3230 935,3190 935,2575 1165.43,2344.57 1369.57,2344.57 1417.5,2392.5 P5.2@1425,2385
KEY_2: KEY2.2 P5.3 U1.3 | length 3671.4
  Top Layer w10: P5.3@1325,2285 1340,2285 1380.43,2325.43 1699.57,2325.43 2090,1935 2220,1935 2440,1715 2537.22,1715 2569.91,1747.69 U1.3@2570.55,1747.05
  Top Layer w20: KEY2.2@145,3319.09 KEY2.2@145,3575
  Bottom Layer w10: KEY2.2@145,3319.09 229.09,3235 695,3235 780,3150 780,2675 1170,2285 P5.3@1325,2285